# Altium PCB PI_CAN_Interface_v3.PcbDoc
Units mm, origin at the board's own origin, x right, y up, seen from the top; angles counter-clockwise.
Board outline 65.16 x 56.16 mm, 4 copper layers (TOP, GND, PWR, BOT), stack 1.483 mm thick; 53 components, 45 nets, 199 pads, 280 vias.
Unrouted connection lines stored in the file: 4.
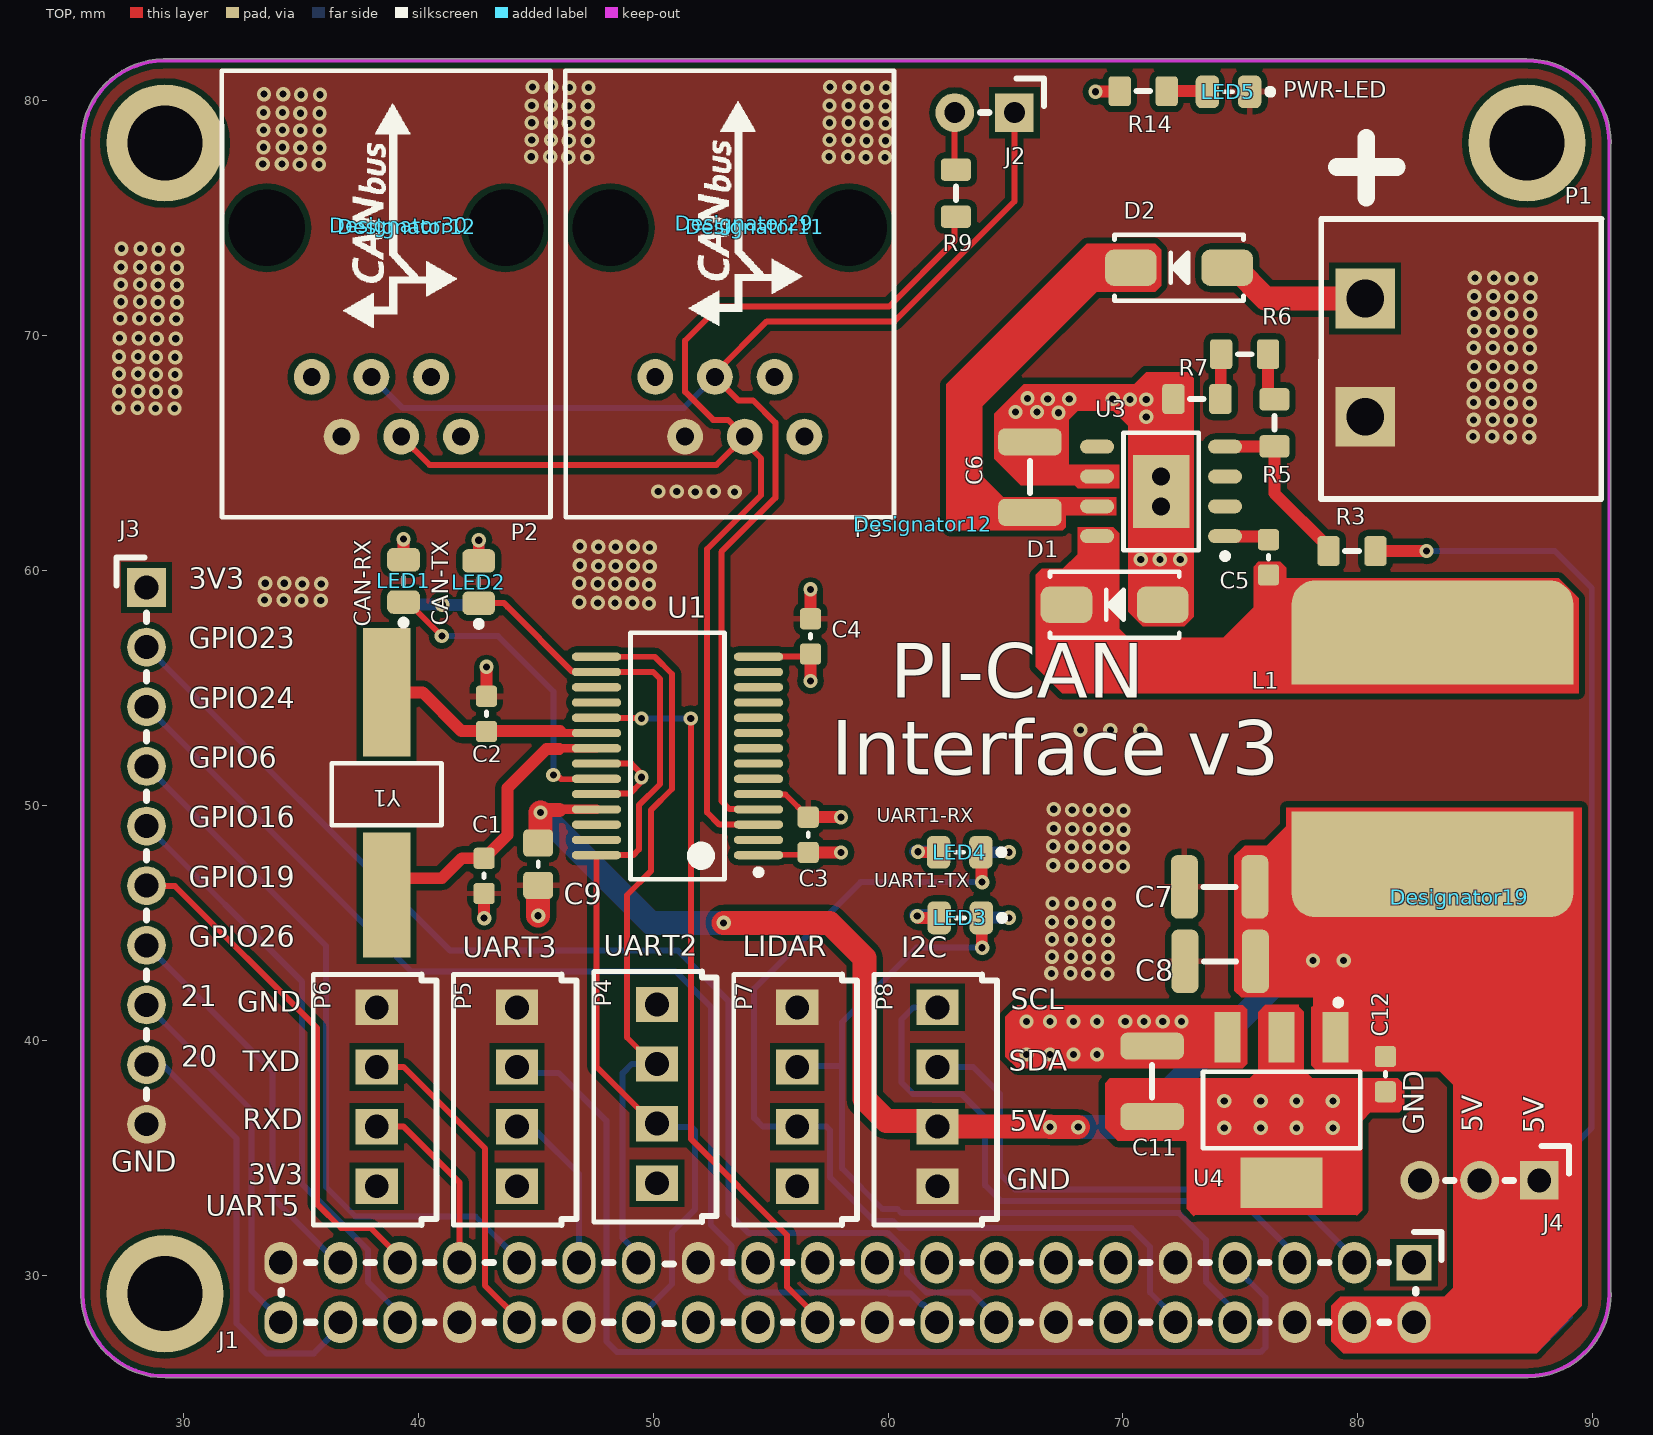
[diagram p0: TOP view]
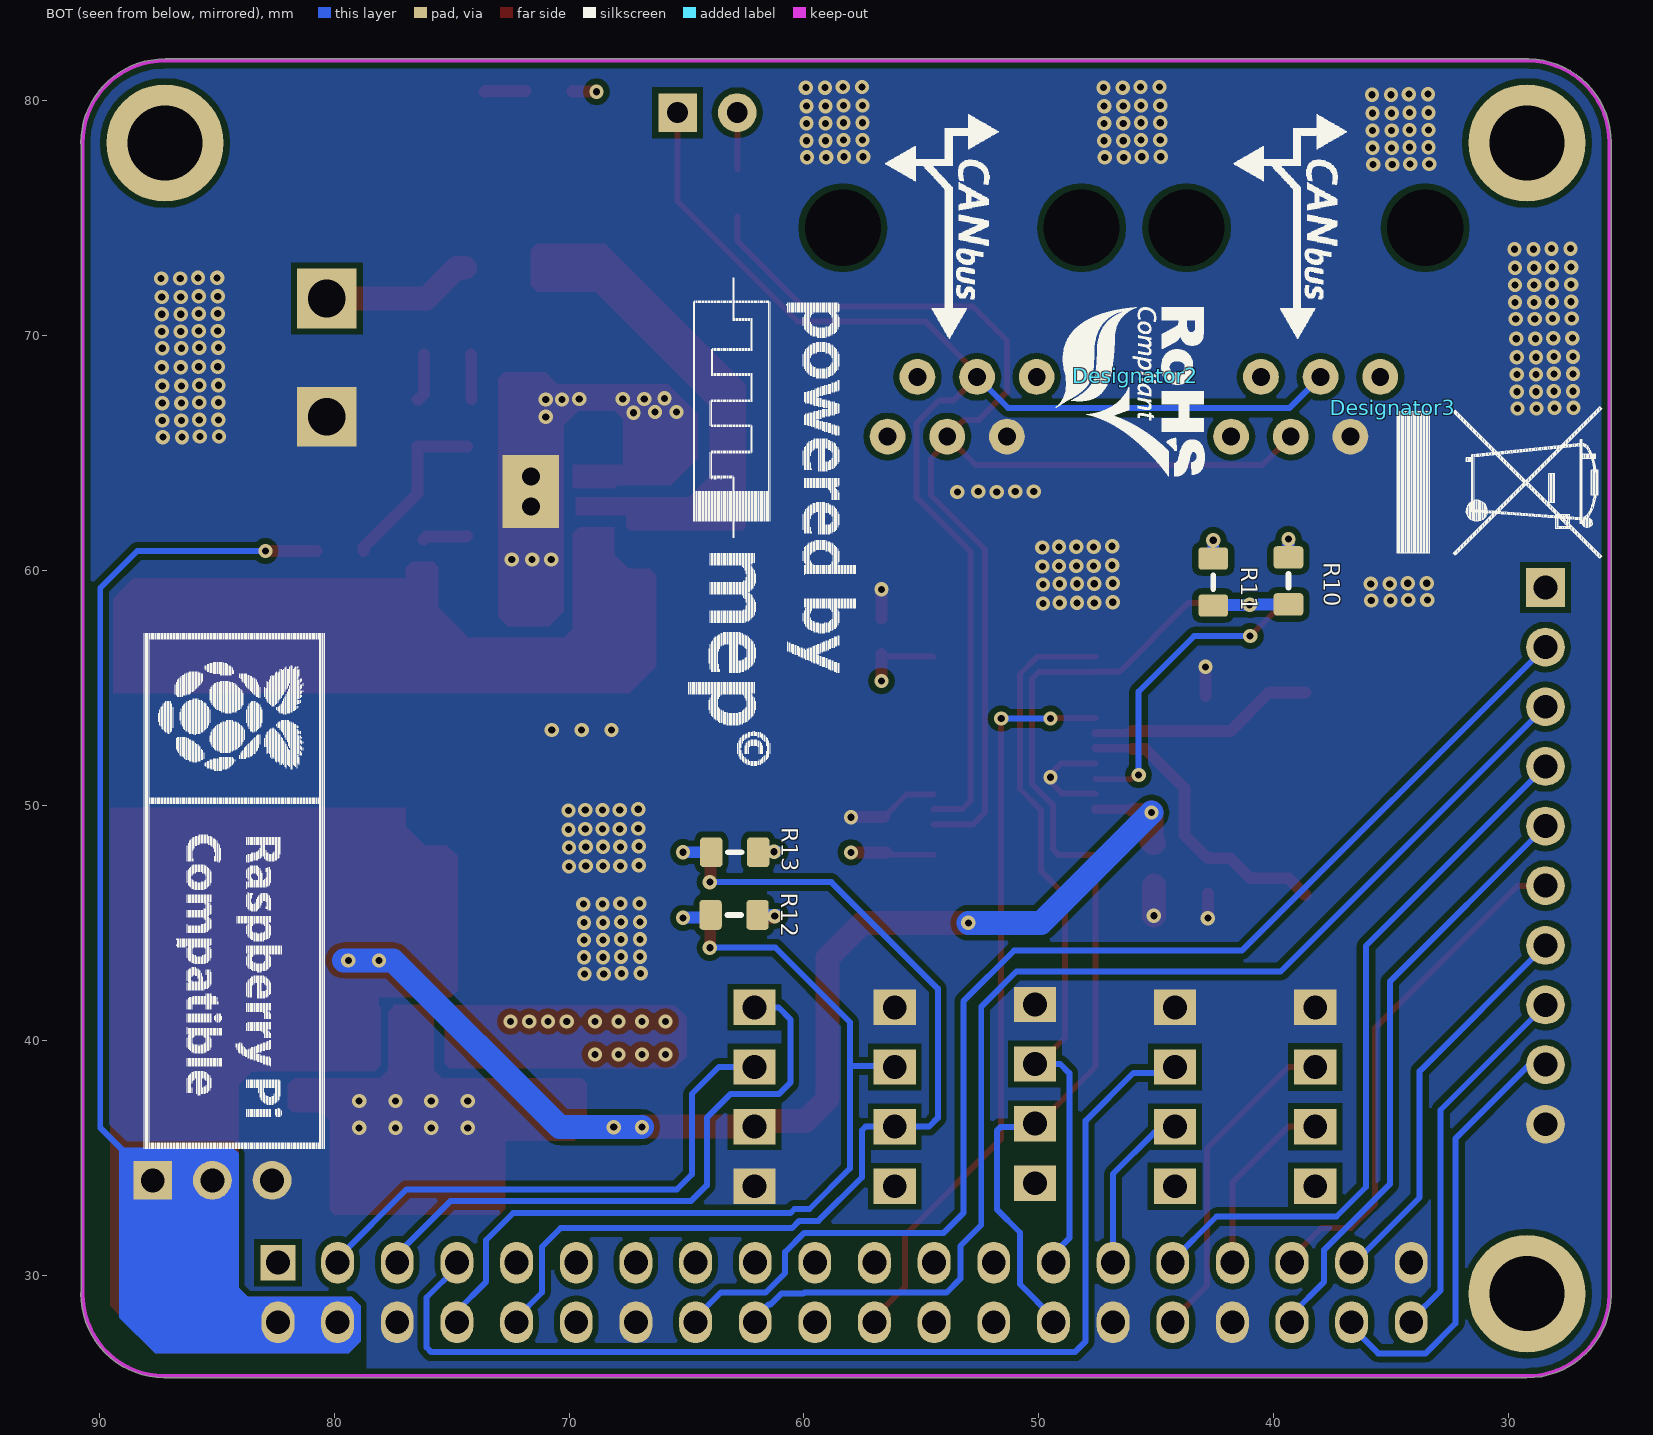
[diagram p1: BOT view, seen from below]
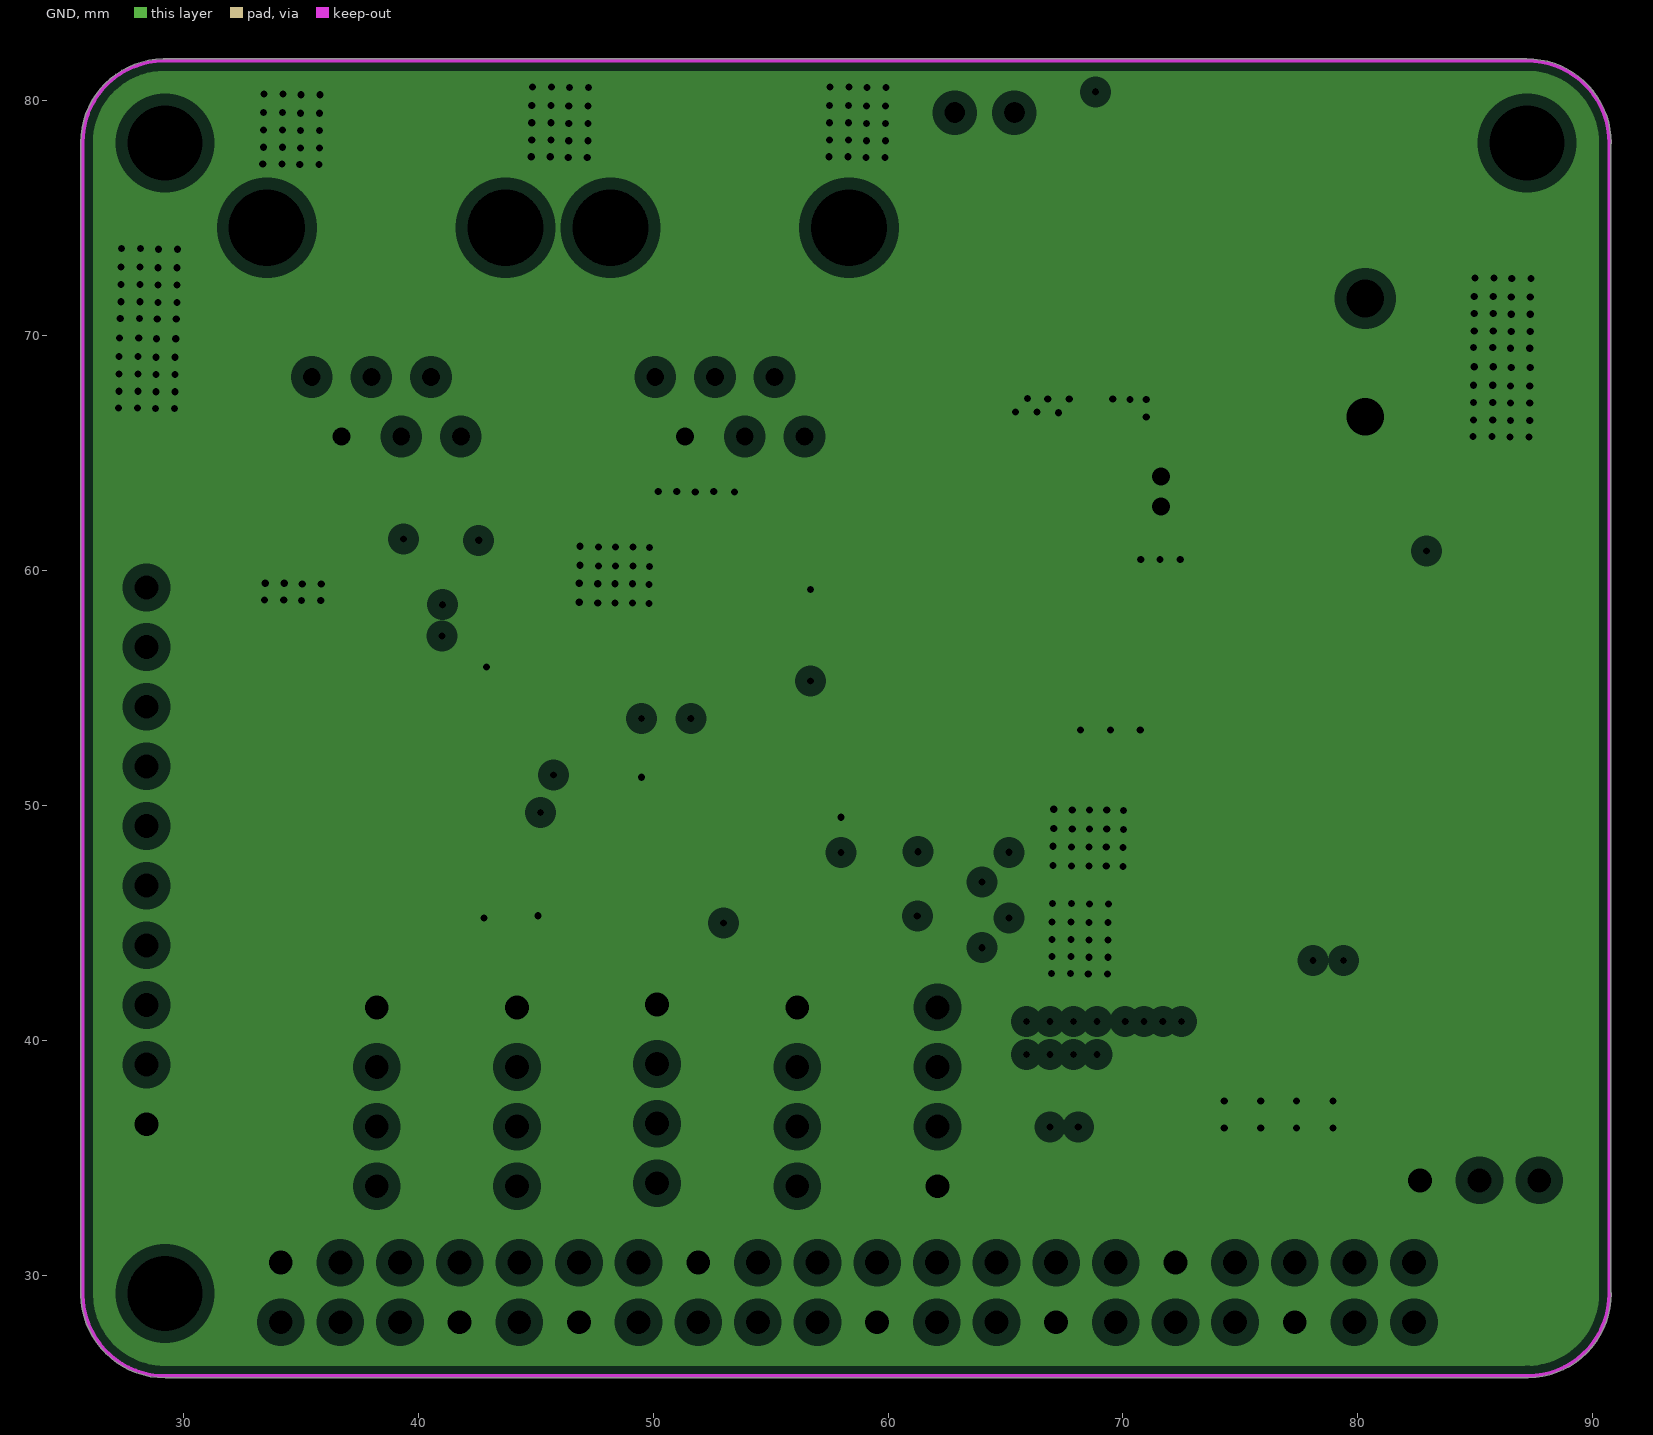
[diagram p2: GND, clearances drawn from the general rule]
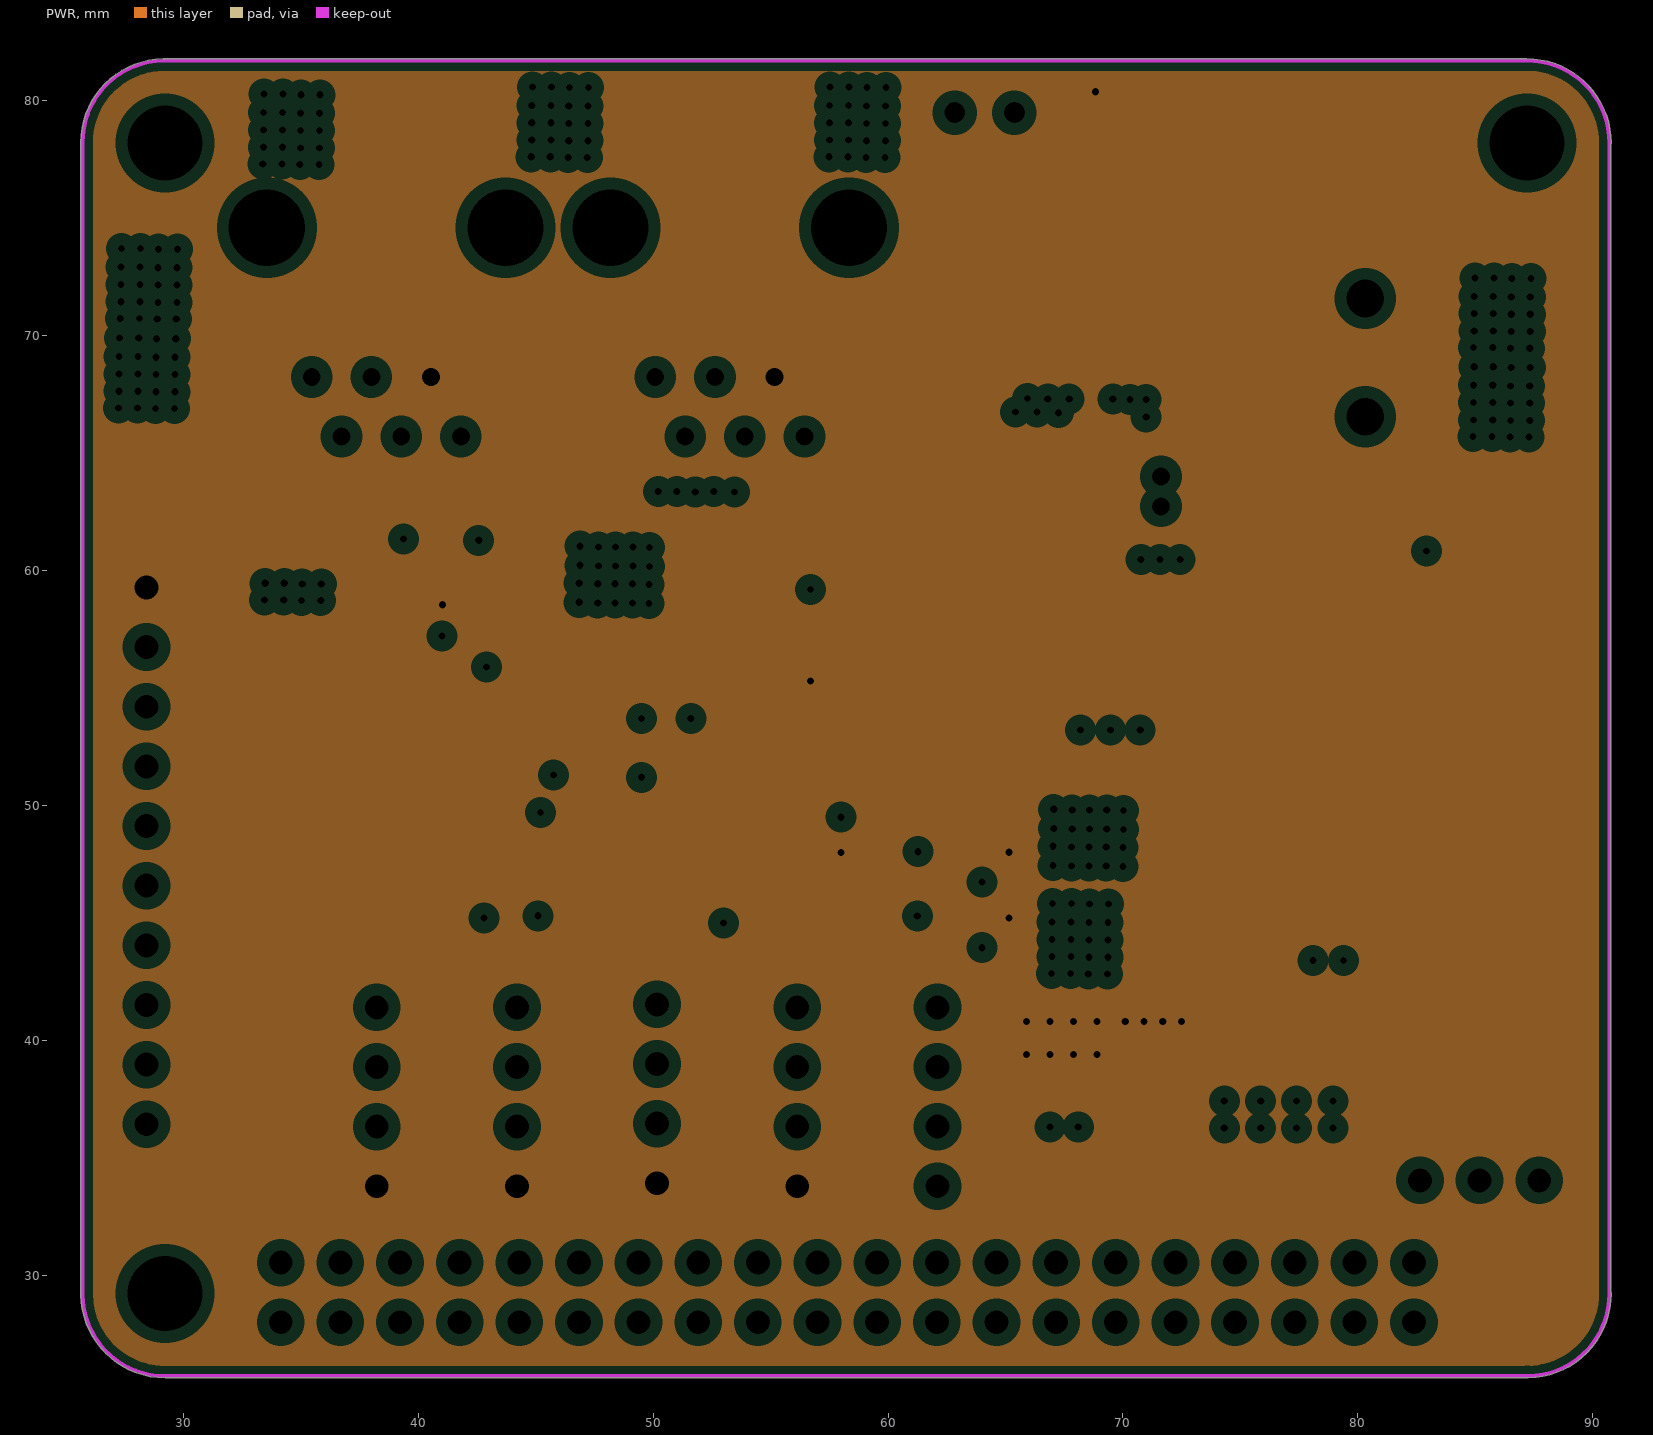
[diagram p3: PWR, clearances drawn from the general rule]

## Layer stack, top to bottom
Top Solder: solder mask 0.0102, Solder Resist, Dk 3.5
TOP: signal copper 0.0356
Dielectric 2: prepreg 0.0711, PP-006, Dk 4.29
GND: plane copper 0.035, net GND
Dielectric 1: dielectric 1.2, FR-4, Dk 4.8
PWR: plane copper 0.035, net VCC-3V3
Dielectric 3: prepreg 0.0711, PP-006, Dk 4.29
BOT: signal copper 0.0356
Bottom Solder: solder mask 0.0102, Solder Resist, Dk 3.5

## Board outline
25.629,29.157 cw(c25.705,29.158) 25.634,29.185 cw(c25.705,29.213) 25.628,29.213 25.628,78.232 cw(c29.188,78.232) 29.136,81.791 cw(c29.137,81.715) 29.167,81.785 cw(c29.188,81.712) 29.188,81.788 87.184,81.788 cw(c87.207,81.715) 87.206,81.792 cw(c87.21,78.21) 90.792,78.21 cw(c87.21,78.21) 90.792,78.207 cw(c90.715,78.207) 90.78,78.166 90.78,29.254 cw(c90.715,29.213) 90.792,29.214 cw(c87.21,29.21) 90.792,29.21 cw(c87.21,29.21) 87.263,25.629 cw(c87.262,25.705) 87.235,25.634 cw(c87.207,25.705) 87.207,25.628 29.213,25.628 29.214,25.628 cw(c29.21,29.21)

## Design rules (kind name [scope] priority, off if disabled: settings)
Clearance [All] p1: gap=0.254 ignorepadtopadclearanceinfootprint=FALSE except(0: Arc-Hole Track-Hole SMDPad-Hole THPad-Hole Via-Hole Fill-Hole Poly-Hole Region-Hole Text-Hole)
PlaneClearance [All] p1: clearance=0.508
PlaneConnect [All] p1: pad.planeconnectstyle=Relief pad.reliefexpansion=0.508 pad.reliefentries=4 pad.reliefconductorwidth=0.254 pad.reliefairgap=0.254 via.planeconnectstyle=Direct via.reliefexpansion=0.508 via.reliefentries=4 via.reliefconductorwidth=0.254 via.reliefairgap=0.254
PolygonConnect [All] p1: thpad.connectstyle=Direct thpad.reliefconductorwidth=0.254 thpad.reliefentries=4 thpad.polygonreliefangle="90 Angle" thpad.airgapwidth=0.152 smdpad.connectstyle=Relief smdpad.reliefconductorwidth=0.254 smdpad.reliefentries=4 smdpad.polygonreliefangle="90 Angle" smdpad.airgapwidth=0.254 via.connectstyle=Direct via.reliefconductorwidth=0.254 via.reliefentries=4 via.polygonreliefangle="90 Angle" via.airgapwidth=0.152
RoutingVias [All] p1: holewidth=0.305 width=0.61 viastyle="Through Hole" minholewidth=0.305 minwidth=0.61 maxholewidth=0.711 maxwidth=1.27
SilkToSolderMaskClearance [IsPad] p1: minsilkscreentomaskgap=0.051 clearancetoexposedcopper=TRUE
SolderMaskExpansion [All] p1: expansion=0.102
Width [All] p1: maxlimit=1.016 minlimit=0.254 preferedwidth=0.508
27 further rules are at their usual default settings.

## Classes and differential pairs
component class PI_CAN_Interface_v3: * C1 C2 C3 C4 C5 C6 C7 C8 C9 C11 C12 D1 D2 J1 J2 J3 J4 L1 LED1 LED2 LED3 LED4 LED5 P1 P2 P3 P4 P5 P6 P7 P8 R3 R5 R6 R7 R9 R10 R11 R12 R13 R14 U1 U3 U4 Y1

## Components (designator, comment, footprint, x,y, rotation, side; value= is the part's Value field where it differs from the comment)
C1 "6pF" CER_0603 42.8,47 r180 top
C2 "6pF" CER_0603 42.9,53.9 r0 top
C3 "100n" CER_0603 56.6,48.75 r0 top
C4 "100n" CER_0603 56.7,57.2 r0 top
C5 "0.01uF" CER_0603 76.2,60.567 r180 top
C6 "10uF" CER_1210 66.04,64.008 r0 top
C7 "100uF" CER_1210 74.092,46.533 r90 top
C8 "100uF" CER_1210 74.117,43.358 r90 top
C9 "100nF" CER_0805 45.1,47.5 r180 top
C11 "10uF" TANT_1210 71.247,38.278 r0 top
C12 "100n" CER_0603 81.178,38.557 r180 top
D1 "B340A" DO214AC 69.647,58.547 r0 top
D2 "SK34" DO214AC 72.39,72.898 r0 top
Designator2 "Comment" "Silk - ROHS" 45.9,68.3 r270 bottom
Designator3 "Comment" "SILK - RECYCLE maxi" 34.925,66.929 r270 bottom
Designator11 "Comment" CANbus_LOGO_bottom_big 54.331,74.651 r90 top
Designator12 "Comment" CANbus_LOGO_bottom_big 39.497,74.651 r90 top
Designator12 "Comment" MEP_LOGO_BIG 61.468,61.976 r90 top
Designator19 "Comment" RPI_PWD_bottom_big 84.328,46.101 r90 top
Designator29 "Comment" CANbus_LOGO_top 53.873,74.803 r90 top
Designator30 "Comment" CANbus_LOGO_top 39.167,74.701 r90 top
J1 "00000005" HM2X20 58.268,29.261 r270 top
J2 "*" HM1X2 64.11,79.502 r180 top
J3 "00000006" HM1X10 28.423,47.854 r270 top
J4 "*" HM1X3 85.192,34.036 r180 top
L1 "15uH" INDUCTOR_SS1260-103MLD 83.566,52.451 r90 top
LED1 "LED GREEN" LED_GREEN_0805 39.37,59.563 r90 top
LED2 "LED GREEN" LED_GREEN_0805 42.57,59.512 r90 top
LED3 "LED GREEN" LED_GREEN_0805 63.076,45.212 r180 top
LED4 "LED GREEN" LED_GREEN_0805 63.051,48.006 r180 top
LED5 "LED RED" LED_RED_0805 74.498,80.391 r180 top
P1 "*" PWR_CON 80.315,66.559 r0 top
P2 "RJ-11" RJ11-6N-B 38.049,72.898 r270 top
P3 "RJ-11" RJ11-6N-B 52.68,72.898 r270 top
P4 "TE CONNECTIVITY_4PIN_MALE" "TE CONNECTIVITY_4PIN_MALE" 50.165,33.909 r90 top
P5 "TE CONNECTIVITY_4PIN_MALE" "TE CONNECTIVITY_4PIN_MALE" 44.196,33.782 r90 top
P6 "TE CONNECTIVITY_4PIN_MALE" "TE CONNECTIVITY_4PIN_MALE" 38.227,33.782 r90 top
P7 "TE CONNECTIVITY_4PIN_MALE" "TE CONNECTIVITY_4PIN_MALE" 56.134,33.782 r90 top
P8 "TE CONNECTIVITY_4PIN_MALE" "TE CONNECTIVITY_4PIN_MALE" 62.103,33.782 r90 top
R3 "10k" RESC2013X38N-0805-NOOVERLAY 79.756,60.833 r90 top
R5 "220R" RESC2013X38N-0805-NOOVERLAY 76.454,66.294 r0 top
R6 "820R" RESC2013X38N-0805-NOOVERLAY 75.184,69.215 r90 top
R7 "2.2K" RESC2013X38N-0805-NOOVERLAY 73.152,67.31 r90 top
R9 "120R" RESC2013X38N-0805-NOOVERLAY 62.89,76.073 r180 top
R10 "1k" RESC2013X38N-0805-NOOVERLAY 39.37,59.563 r180 bottom
R11 "1k" RESC2013X38N-0805-NOOVERLAY 42.57,59.512 r180 bottom
R12 "1k" RESC2013X38N-0805-NOOVERLAY 62.976,45.339 r270 bottom
R13 "1k" RESC2013X38N-0805-NOOVERLAY 62.949,48.006 r270 bottom
R14 "1k" RESC2013X38N-0805-NOOVERLAY 70.866,80.416 r270 top
U1 "MCP251863" SSOP-28 49.9,51.4 r180 top
U3 "TPS5430" HSOP-8 71.628,63.373 r180 top
U4 "LM2937-5" SOT223 76.759,37.033 r180 top
Y1 "20MHz" OSCILATOR 38.7,50.5 r270 top
